# Altium PCB Tag201_GangProgrammerRev2.PcbDoc (part 5 of 7) (continued)
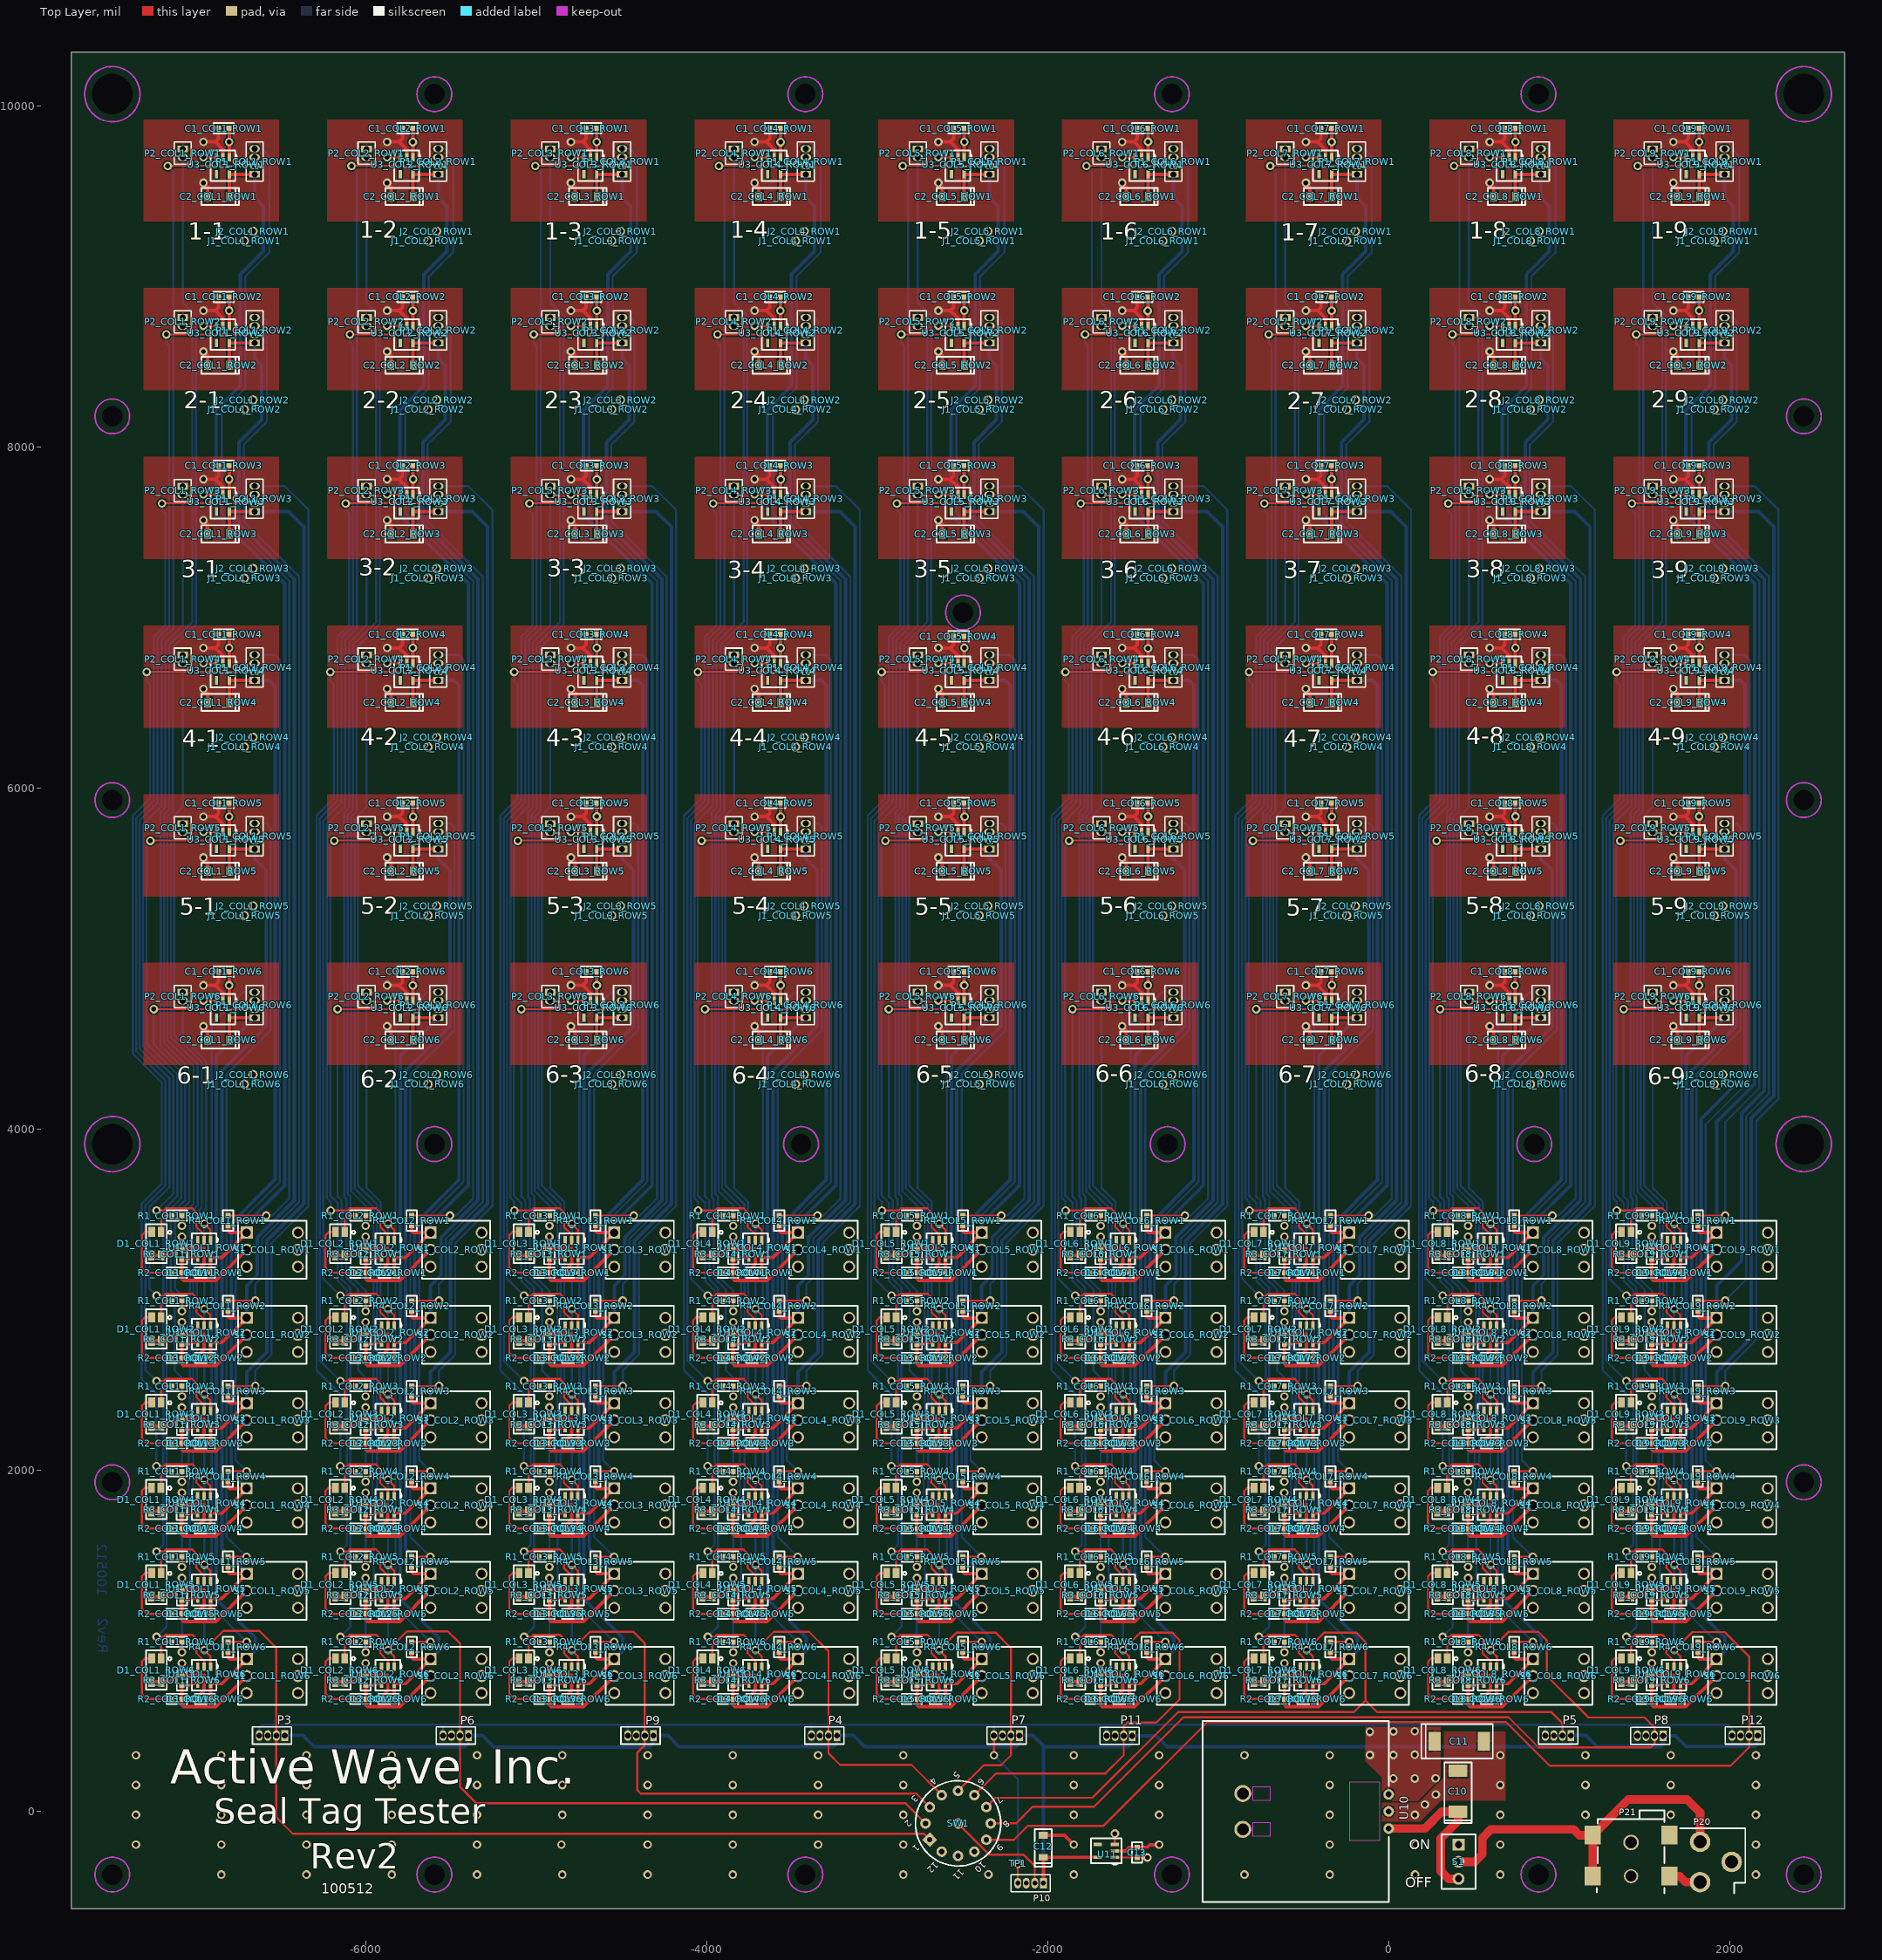
[diagram p0: Top Layer view]
## Nets (pads, with @x,y where several pads share a name; then routed paths per layer and width w, separated by ;. In a path a pad name is that pad's centre, name@x,y a point inside that pad or via, vN(x,y) a via of type N, cw(c..) or ccw(c..) an arc to the next point about the centre after c; other vN are vias at no path point) (continued)
NetD1_COL7_ROW6_1: D1_COL7_ROW6.1 R1_COL7_ROW6.1 | length 145.4
  Top Layer w12: D1_COL7_ROW6.1@-733.94,897.9 -733.94,971.56 -711.5,994 R1_COL7_ROW6.1@-671.5,994
NetD1_COL7_ROW6_2: D1_COL7_ROW6.2 R2_COL7_ROW6.1 | length 1328.1
  Top Layer w12: -846.5,689 -816.5,659 ; -846.5,689 -846.5,879 ; -846.5,689 -816.5,659 ; -846.5,689 -846.5,879 ; -846.5,689 -816.5,659 ; -846.5,689 -846.5,879 ; -846.5,879 -827.6,897.9 ; -846.5,879 -827.6,897.9 ; -846.5,879 -827.6,897.9 ; -827.6,897.9 D1_COL7_ROW6.2@-789.06,897.9 ; -827.6,897.9 D1_COL7_ROW6.2@-789.06,897.9 ; -827.6,897.9 D1_COL7_ROW6.2@-789.06,897.9 ; -816.5,659 R2_COL7_ROW6.1@-671.5,659 ; -816.5,659 R2_COL7_ROW6.1@-671.5,659 ; -816.5,659 R2_COL7_ROW6.1@-671.5,659
NetD1_COL8_ROW1_1: D1_COL8_ROW1.1 R1_COL8_ROW1.1 | length 145.4
  Top Layer w12: D1_COL8_ROW1.1@343.56,3397.9 343.56,3471.56 366,3494 R1_COL8_ROW1.1@406,3494
NetD1_COL8_ROW1_2: D1_COL8_ROW1.2 R2_COL8_ROW1.1 | length 1328.1
  Top Layer w12: 231,3189 261,3159 ; 231,3189 231,3379 ; 231,3189 261,3159 ; 231,3189 231,3379 ; 231,3189 261,3159 ; 231,3189 231,3379 ; 231,3379 249.9,3397.9 ; 231,3379 249.9,3397.9 ; 231,3379 249.9,3397.9 ; 249.9,3397.9 D1_COL8_ROW1.2@288.44,3397.9 ; 249.9,3397.9 D1_COL8_ROW1.2@288.44,3397.9 ; 249.9,3397.9 D1_COL8_ROW1.2@288.44,3397.9 ; 261,3159 R2_COL8_ROW1.1@406,3159 ; 261,3159 R2_COL8_ROW1.1@406,3159 ; 261,3159 R2_COL8_ROW1.1@406,3159
NetD1_COL8_ROW2_1: D1_COL8_ROW2.1 R1_COL8_ROW2.1 | length 145.4
  Top Layer w12: D1_COL8_ROW2.1@343.56,2897.9 343.56,2971.56 366,2994 R1_COL8_ROW2.1@406,2994
NetD1_COL8_ROW2_2: D1_COL8_ROW2.2 R2_COL8_ROW2.1 | length 1328.1
  Top Layer w12: 231,2689 261,2659 ; 231,2689 231,2879 ; 231,2689 261,2659 ; 231,2689 231,2879 ; 231,2689 261,2659 ; 231,2689 231,2879 ; 231,2879 249.9,2897.9 ; 231,2879 249.9,2897.9 ; 231,2879 249.9,2897.9 ; 249.9,2897.9 D1_COL8_ROW2.2@288.44,2897.9 ; 249.9,2897.9 D1_COL8_ROW2.2@288.44,2897.9 ; 249.9,2897.9 D1_COL8_ROW2.2@288.44,2897.9 ; 261,2659 R2_COL8_ROW2.1@406,2659 ; 261,2659 R2_COL8_ROW2.1@406,2659 ; 261,2659 R2_COL8_ROW2.1@406,2659
NetD1_COL8_ROW3_1: D1_COL8_ROW3.1 R1_COL8_ROW3.1 | length 145.4
  Top Layer w12: D1_COL8_ROW3.1@343.56,2397.9 343.56,2471.56 366,2494 R1_COL8_ROW3.1@406,2494
NetD1_COL8_ROW3_2: D1_COL8_ROW3.2 R2_COL8_ROW3.1 | length 1328.1
  Top Layer w12: 231,2189 261,2159 ; 231,2189 231,2379 ; 231,2189 261,2159 ; 231,2189 231,2379 ; 231,2189 261,2159 ; 231,2189 231,2379 ; 231,2379 249.9,2397.9 ; 231,2379 249.9,2397.9 ; 231,2379 249.9,2397.9 ; 249.9,2397.9 D1_COL8_ROW3.2@288.44,2397.9 ; 249.9,2397.9 D1_COL8_ROW3.2@288.44,2397.9 ; 249.9,2397.9 D1_COL8_ROW3.2@288.44,2397.9 ; 261,2159 R2_COL8_ROW3.1@406,2159 ; 261,2159 R2_COL8_ROW3.1@406,2159 ; 261,2159 R2_COL8_ROW3.1@406,2159
NetD1_COL8_ROW4_1: D1_COL8_ROW4.1 R1_COL8_ROW4.1 | length 145.4
  Top Layer w12: D1_COL8_ROW4.1@343.06,1897.9 343.06,1971.56 365.5,1994 R1_COL8_ROW4.1@405.5,1994
NetD1_COL8_ROW4_2: D1_COL8_ROW4.2 R2_COL8_ROW4.1 | length 1328.1
  Top Layer w12: 230.5,1689 260.5,1659 ; 230.5,1689 230.5,1879 ; 230.5,1689 260.5,1659 ; 230.5,1689 230.5,1879 ; 230.5,1689 260.5,1659 ; 230.5,1689 230.5,1879 ; 230.5,1879 249.4,1897.9 ; 230.5,1879 249.4,1897.9 ; 230.5,1879 249.4,1897.9 ; 249.4,1897.9 D1_COL8_ROW4.2@287.94,1897.9 ; 249.4,1897.9 D1_COL8_ROW4.2@287.94,1897.9 ; 249.4,1897.9 D1_COL8_ROW4.2@287.94,1897.9 ; 260.5,1659 R2_COL8_ROW4.1@405.5,1659 ; 260.5,1659 R2_COL8_ROW4.1@405.5,1659 ; 260.5,1659 R2_COL8_ROW4.1@405.5,1659
NetD1_COL8_ROW5_1: D1_COL8_ROW5.1 R1_COL8_ROW5.1 | length 145.4
  Top Layer w12: D1_COL8_ROW5.1@343.56,1397.9 343.56,1471.56 366,1494 R1_COL8_ROW5.1@406,1494
NetD1_COL8_ROW5_2: D1_COL8_ROW5.2 R2_COL8_ROW5.1 | length 1328.1
  Top Layer w12: 231,1189 261,1159 ; 231,1189 231,1379 ; 231,1189 261,1159 ; 231,1189 231,1379 ; 231,1189 261,1159 ; 231,1189 231,1379 ; 231,1379 249.9,1397.9 ; 231,1379 249.9,1397.9 ; 231,1379 249.9,1397.9 ; 249.9,1397.9 D1_COL8_ROW5.2@288.44,1397.9 ; 249.9,1397.9 D1_COL8_ROW5.2@288.44,1397.9 ; 249.9,1397.9 D1_COL8_ROW5.2@288.44,1397.9 ; 261,1159 R2_COL8_ROW5.1@406,1159 ; 261,1159 R2_COL8_ROW5.1@406,1159 ; 261,1159 R2_COL8_ROW5.1@406,1159
NetD1_COL8_ROW6_1: D1_COL8_ROW6.1 R1_COL8_ROW6.1 | length 145.4
  Top Layer w12: D1_COL8_ROW6.1@343.56,897.9 343.56,971.56 366,994 R1_COL8_ROW6.1@406,994
NetD1_COL8_ROW6_2: D1_COL8_ROW6.2 R2_COL8_ROW6.1 | length 1328.1
  Top Layer w12: 231,689 261,659 ; 231,689 231,879 ; 231,689 261,659 ; 231,689 231,879 ; 231,689 261,659 ; 231,689 231,879 ; 231,879 249.9,897.9 ; 231,879 249.9,897.9 ; 231,879 249.9,897.9 ; 249.9,897.9 D1_COL8_ROW6.2@288.44,897.9 ; 249.9,897.9 D1_COL8_ROW6.2@288.44,897.9 ; 249.9,897.9 D1_COL8_ROW6.2@288.44,897.9 ; 261,659 R2_COL8_ROW6.1@406,659 ; 261,659 R2_COL8_ROW6.1@406,659 ; 261,659 R2_COL8_ROW6.1@406,659
NetD1_COL9_ROW1_1: D1_COL9_ROW1.1 R1_COL9_ROW1.1 | length 145.4
  Top Layer w12: D1_COL9_ROW1.1@1421.06,3397.9 1421.06,3471.56 1443.5,3494 R1_COL9_ROW1.1@1483.5,3494
NetD1_COL9_ROW1_2: D1_COL9_ROW1.2 R2_COL9_ROW1.1 | length 1328.1
  Top Layer w12: 1308.5,3189 1338.5,3159 ; 1308.5,3189 1308.5,3379 ; 1308.5,3189 1338.5,3159 ; 1308.5,3189 1308.5,3379 ; 1308.5,3189 1338.5,3159 ; 1308.5,3189 1308.5,3379 ; 1308.5,3379 1327.4,3397.9 ; 1308.5,3379 1327.4,3397.9 ; 1308.5,3379 1327.4,3397.9 ; 1327.4,3397.9 D1_COL9_ROW1.2@1365.94,3397.9 ; 1327.4,3397.9 D1_COL9_ROW1.2@1365.94,3397.9 ; 1327.4,3397.9 D1_COL9_ROW1.2@1365.94,3397.9 ; 1338.5,3159 R2_COL9_ROW1.1@1483.5,3159 ; 1338.5,3159 R2_COL9_ROW1.1@1483.5,3159 ; 1338.5,3159 R2_COL9_ROW1.1@1483.5,3159
NetD1_COL9_ROW2_1: D1_COL9_ROW2.1 R1_COL9_ROW2.1 | length 145.4
  Top Layer w12: D1_COL9_ROW2.1@1421.06,2897.9 1421.06,2971.56 1443.5,2994 R1_COL9_ROW2.1@1483.5,2994
NetD1_COL9_ROW2_2: D1_COL9_ROW2.2 R2_COL9_ROW2.1 | length 1328.1
  Top Layer w12: 1308.5,2689 1338.5,2659 ; 1308.5,2689 1308.5,2879 ; 1308.5,2689 1338.5,2659 ; 1308.5,2689 1308.5,2879 ; 1308.5,2689 1338.5,2659 ; 1308.5,2689 1308.5,2879 ; 1308.5,2879 1327.4,2897.9 ; 1308.5,2879 1327.4,2897.9 ; 1308.5,2879 1327.4,2897.9 ; 1327.4,2897.9 D1_COL9_ROW2.2@1365.94,2897.9 ; 1327.4,2897.9 D1_COL9_ROW2.2@1365.94,2897.9 ; 1327.4,2897.9 D1_COL9_ROW2.2@1365.94,2897.9 ; 1338.5,2659 R2_COL9_ROW2.1@1483.5,2659 ; 1338.5,2659 R2_COL9_ROW2.1@1483.5,2659 ; 1338.5,2659 R2_COL9_ROW2.1@1483.5,2659
NetD1_COL9_ROW3_1: D1_COL9_ROW3.1 R1_COL9_ROW3.1 | length 145.4
  Top Layer w12: D1_COL9_ROW3.1@1421.06,2397.9 1421.06,2471.56 1443.5,2494 R1_COL9_ROW3.1@1483.5,2494
NetD1_COL9_ROW3_2: D1_COL9_ROW3.2 R2_COL9_ROW3.1 | length 1328.1
  Top Layer w12: 1308.5,2189 1338.5,2159 ; 1308.5,2189 1308.5,2379 ; 1308.5,2189 1338.5,2159 ; 1308.5,2189 1308.5,2379 ; 1308.5,2189 1338.5,2159 ; 1308.5,2189 1308.5,2379 ; 1308.5,2379 1327.4,2397.9 ; 1308.5,2379 1327.4,2397.9 ; 1308.5,2379 1327.4,2397.9 ; 1327.4,2397.9 D1_COL9_ROW3.2@1365.94,2397.9 ; 1327.4,2397.9 D1_COL9_ROW3.2@1365.94,2397.9 ; 1327.4,2397.9 D1_COL9_ROW3.2@1365.94,2397.9 ; 1338.5,2159 R2_COL9_ROW3.1@1483.5,2159 ; 1338.5,2159 R2_COL9_ROW3.1@1483.5,2159 ; 1338.5,2159 R2_COL9_ROW3.1@1483.5,2159
NetD1_COL9_ROW4_1: D1_COL9_ROW4.1 R1_COL9_ROW4.1 | length 145.4
  Top Layer w12: D1_COL9_ROW4.1@1420.56,1897.9 1420.56,1971.56 1443,1994 R1_COL9_ROW4.1@1483,1994
NetD1_COL9_ROW4_2: D1_COL9_ROW4.2 R2_COL9_ROW4.1 | length 1328.1
  Top Layer w12: 1308,1689 1338,1659 ; 1308,1689 1308,1879 ; 1308,1689 1338,1659 ; 1308,1689 1308,1879 ; 1308,1689 1338,1659 ; 1308,1689 1308,1879 ; 1308,1879 1326.9,1897.9 ; 1308,1879 1326.9,1897.9 ; 1308,1879 1326.9,1897.9 ; 1326.9,1897.9 D1_COL9_ROW4.2@1365.44,1897.9 ; 1326.9,1897.9 D1_COL9_ROW4.2@1365.44,1897.9 ; 1326.9,1897.9 D1_COL9_ROW4.2@1365.44,1897.9 ; 1338,1659 R2_COL9_ROW4.1@1483,1659 ; 1338,1659 R2_COL9_ROW4.1@1483,1659 ; 1338,1659 R2_COL9_ROW4.1@1483,1659
NetD1_COL9_ROW5_1: D1_COL9_ROW5.1 R1_COL9_ROW5.1 | length 145.4
  Top Layer w12: D1_COL9_ROW5.1@1421.06,1397.9 1421.06,1471.56 1443.5,1494 R1_COL9_ROW5.1@1483.5,1494
NetD1_COL9_ROW5_2: D1_COL9_ROW5.2 R2_COL9_ROW5.1 | length 1328.1
  Top Layer w12: 1308.5,1189 1338.5,1159 ; 1308.5,1189 1308.5,1379 ; 1308.5,1189 1338.5,1159 ; 1308.5,1189 1308.5,1379 ; 1308.5,1189 1338.5,1159 ; 1308.5,1189 1308.5,1379 ; 1308.5,1379 1327.4,1397.9 ; 1308.5,1379 1327.4,1397.9 ; 1308.5,1379 1327.4,1397.9 ; 1327.4,1397.9 D1_COL9_ROW5.2@1365.94,1397.9 ; 1327.4,1397.9 D1_COL9_ROW5.2@1365.94,1397.9 ; 1327.4,1397.9 D1_COL9_ROW5.2@1365.94,1397.9 ; 1338.5,1159 R2_COL9_ROW5.1@1483.5,1159 ; 1338.5,1159 R2_COL9_ROW5.1@1483.5,1159 ; 1338.5,1159 R2_COL9_ROW5.1@1483.5,1159
NetD1_COL9_ROW6_1: D1_COL9_ROW6.1 R1_COL9_ROW6.1 | length 145.4
  Top Layer w12: D1_COL9_ROW6.1@1421.06,897.9 1421.06,971.56 1443.5,994 R1_COL9_ROW6.1@1483.5,994
NetD1_COL9_ROW6_2: D1_COL9_ROW6.2 R2_COL9_ROW6.1 | length 1328.1
  Top Layer w12: 1308.5,689 1338.5,659 ; 1308.5,689 1308.5,879 ; 1308.5,689 1338.5,659 ; 1308.5,689 1308.5,879 ; 1308.5,689 1338.5,659 ; 1308.5,689 1308.5,879 ; 1308.5,879 1327.4,897.9 ; 1308.5,879 1327.4,897.9 ; 1308.5,879 1327.4,897.9 ; 1327.4,897.9 D1_COL9_ROW6.2@1365.94,897.9 ; 1327.4,897.9 D1_COL9_ROW6.2@1365.94,897.9 ; 1327.4,897.9 D1_COL9_ROW6.2@1365.94,897.9 ; 1338.5,659 R2_COL9_ROW6.1@1483.5,659 ; 1338.5,659 R2_COL9_ROW6.1@1483.5,659 ; 1338.5,659 R2_COL9_ROW6.1@1483.5,659
NetR2_COL1_ROW1_2: R2_COL1_ROW1.2 R3_COL1_ROW1.2 S1_COL1_ROW1.2 U1_COL1_ROW1.4 | length 670.3
  Top Layer w20: U1_COL1_ROW1.4@-6984,3249 -7021.5,3249 -7031.5,3239 R3_COL1_ROW1.2@-7076.5,3239 R2_COL1_ROW1.2@-7076.5,3159 -7076.5,3124 -7066.5,3114 -6876.5,3114 S1_COL1_ROW1.2@-6696.5,3294
NetR2_COL1_ROW2_2: R2_COL1_ROW2.2 R3_COL1_ROW2.2 S1_COL1_ROW2.2 U1_COL1_ROW2.4 | length 670.3
  Top Layer w20: U1_COL1_ROW2.4@-6984,2749 -7021.5,2749 -7031.5,2739 R3_COL1_ROW2.2@-7076.5,2739 R2_COL1_ROW2.2@-7076.5,2659 -7076.5,2624 -7066.5,2614 -6876.5,2614 S1_COL1_ROW2.2@-6696.5,2794
NetR2_COL1_ROW3_2: R2_COL1_ROW3.2 R3_COL1_ROW3.2 S1_COL1_ROW3.2 U1_COL1_ROW3.4 | length 670.3
  Top Layer w20: U1_COL1_ROW3.4@-6984,2249 -7021.5,2249 -7031.5,2239 R3_COL1_ROW3.2@-7076.5,2239 R2_COL1_ROW3.2@-7076.5,2159 -7076.5,2124 -7066.5,2114 -6876.5,2114 S1_COL1_ROW3.2@-6696.5,2294
NetR2_COL1_ROW4_2: R2_COL1_ROW4.2 R3_COL1_ROW4.2 S1_COL1_ROW4.2 U1_COL1_ROW4.4 | length 670.3
  Top Layer w20: U1_COL1_ROW4.4@-6984.5,1749 -7022,1749 -7032,1739 R3_COL1_ROW4.2@-7077,1739 R2_COL1_ROW4.2@-7077,1659 -7077,1624 -7067,1614 -6877,1614 S1_COL1_ROW4.2@-6697,1794
NetR2_COL1_ROW5_2: R2_COL1_ROW5.2 R3_COL1_ROW5.2 S1_COL1_ROW5.2 U1_COL1_ROW5.4 | length 670.3
  Top Layer w20: U1_COL1_ROW5.4@-6984,1249 -7021.5,1249 -7031.5,1239 R3_COL1_ROW5.2@-7076.5,1239 R2_COL1_ROW5.2@-7076.5,1159 -7076.5,1124 -7066.5,1114 -6876.5,1114 S1_COL1_ROW5.2@-6696.5,1294
NetR2_COL1_ROW6_2: R2_COL1_ROW6.2 R3_COL1_ROW6.2 S1_COL1_ROW6.2 U1_COL1_ROW6.4 | length 670.3
  Top Layer w20: U1_COL1_ROW6.4@-6984,749 -7021.5,749 -7031.5,739 R3_COL1_ROW6.2@-7076.5,739 R2_COL1_ROW6.2@-7076.5,659 -7076.5,624 -7066.5,614 -6876.5,614 S1_COL1_ROW6.2@-6696.5,794
NetR2_COL2_ROW1_2: R2_COL2_ROW1.2 R3_COL2_ROW1.2 S1_COL2_ROW1.2 U1_COL2_ROW1.4 | length 670.3
  Top Layer w20: U1_COL2_ROW1.4@-5906.5,3249 -5944,3249 -5954,3239 R3_COL2_ROW1.2@-5999,3239 R2_COL2_ROW1.2@-5999,3159 -5999,3124 -5989,3114 -5799,3114 S1_COL2_ROW1.2@-5619,3294
NetR2_COL2_ROW2_2: R2_COL2_ROW2.2 R3_COL2_ROW2.2 S1_COL2_ROW2.2 U1_COL2_ROW2.4 | length 670.3
  Top Layer w20: U1_COL2_ROW2.4@-5906.5,2749 -5944,2749 -5954,2739 R3_COL2_ROW2.2@-5999,2739 R2_COL2_ROW2.2@-5999,2659 -5999,2624 -5989,2614 -5799,2614 S1_COL2_ROW2.2@-5619,2794
NetR2_COL2_ROW3_2: R2_COL2_ROW3.2 R3_COL2_ROW3.2 S1_COL2_ROW3.2 U1_COL2_ROW3.4 | length 670.3
  Top Layer w20: U1_COL2_ROW3.4@-5906.5,2249 -5944,2249 -5954,2239 R3_COL2_ROW3.2@-5999,2239 R2_COL2_ROW3.2@-5999,2159 -5999,2124 -5989,2114 -5799,2114 S1_COL2_ROW3.2@-5619,2294
NetR2_COL2_ROW4_2: R2_COL2_ROW4.2 R3_COL2_ROW4.2 S1_COL2_ROW4.2 U1_COL2_ROW4.4 | length 670.3
  Top Layer w20: U1_COL2_ROW4.4@-5907,1749 -5944.5,1749 -5954.5,1739 R3_COL2_ROW4.2@-5999.5,1739 R2_COL2_ROW4.2@-5999.5,1659 -5999.5,1624 -5989.5,1614 -5799.5,1614 S1_COL2_ROW4.2@-5619.5,1794
NetR2_COL2_ROW5_2: R2_COL2_ROW5.2 R3_COL2_ROW5.2 S1_COL2_ROW5.2 U1_COL2_ROW5.4 | length 670.3
  Top Layer w20: U1_COL2_ROW5.4@-5906.5,1249 -5944,1249 -5954,1239 R3_COL2_ROW5.2@-5999,1239 R2_COL2_ROW5.2@-5999,1159 -5999,1124 -5989,1114 -5799,1114 S1_COL2_ROW5.2@-5619,1294
NetR2_COL2_ROW6_2: R2_COL2_ROW6.2 R3_COL2_ROW6.2 S1_COL2_ROW6.2 U1_COL2_ROW6.4 | length 670.3
  Top Layer w20: U1_COL2_ROW6.4@-5906.5,749 -5944,749 -5954,739 R3_COL2_ROW6.2@-5999,739 R2_COL2_ROW6.2@-5999,659 -5999,624 -5989,614 -5799,614 S1_COL2_ROW6.2@-5619,794
NetR2_COL3_ROW1_2: R2_COL3_ROW1.2 R3_COL3_ROW1.2 S1_COL3_ROW1.2 U1_COL3_ROW1.4 | length 670.3
  Top Layer w20: U1_COL3_ROW1.4@-4829,3249 -4866.5,3249 -4876.5,3239 R3_COL3_ROW1.2@-4921.5,3239 R2_COL3_ROW1.2@-4921.5,3159 -4921.5,3124 -4911.5,3114 -4721.5,3114 S1_COL3_ROW1.2@-4541.5,3294
NetR2_COL3_ROW2_2: R2_COL3_ROW2.2 R3_COL3_ROW2.2 S1_COL3_ROW2.2 U1_COL3_ROW2.4 | length 670.3
  Top Layer w20: U1_COL3_ROW2.4@-4829,2749 -4866.5,2749 -4876.5,2739 R3_COL3_ROW2.2@-4921.5,2739 R2_COL3_ROW2.2@-4921.5,2659 -4921.5,2624 -4911.5,2614 -4721.5,2614 S1_COL3_ROW2.2@-4541.5,2794
NetR2_COL3_ROW3_2: R2_COL3_ROW3.2 R3_COL3_ROW3.2 S1_COL3_ROW3.2 U1_COL3_ROW3.4 | length 670.3
  Top Layer w20: U1_COL3_ROW3.4@-4829,2249 -4866.5,2249 -4876.5,2239 R3_COL3_ROW3.2@-4921.5,2239 R2_COL3_ROW3.2@-4921.5,2159 -4921.5,2124 -4911.5,2114 -4721.5,2114 S1_COL3_ROW3.2@-4541.5,2294
NetR2_COL3_ROW4_2: R2_COL3_ROW4.2 R3_COL3_ROW4.2 S1_COL3_ROW4.2 U1_COL3_ROW4.4 | length 670.3
  Top Layer w20: U1_COL3_ROW4.4@-4829.5,1749 -4867,1749 -4877,1739 R3_COL3_ROW4.2@-4922,1739 R2_COL3_ROW4.2@-4922,1659 -4922,1624 -4912,1614 -4722,1614 S1_COL3_ROW4.2@-4542,1794
NetR2_COL3_ROW5_2: R2_COL3_ROW5.2 R3_COL3_ROW5.2 S1_COL3_ROW5.2 U1_COL3_ROW5.4 | length 670.3
  Top Layer w20: U1_COL3_ROW5.4@-4829,1249 -4866.5,1249 -4876.5,1239 R3_COL3_ROW5.2@-4921.5,1239 R2_COL3_ROW5.2@-4921.5,1159 -4921.5,1124 -4911.5,1114 -4721.5,1114 S1_COL3_ROW5.2@-4541.5,1294
NetR2_COL3_ROW6_2: R2_COL3_ROW6.2 R3_COL3_ROW6.2 S1_COL3_ROW6.2 U1_COL3_ROW6.4 | length 670.3
  Top Layer w20: U1_COL3_ROW6.4@-4829,749 -4866.5,749 -4876.5,739 R3_COL3_ROW6.2@-4921.5,739 R2_COL3_ROW6.2@-4921.5,659 -4921.5,624 -4911.5,614 -4721.5,614 S1_COL3_ROW6.2@-4541.5,794
NetR2_COL4_ROW1_2: R2_COL4_ROW1.2 R3_COL4_ROW1.2 S1_COL4_ROW1.2 U1_COL4_ROW1.4 | length 670.3
  Top Layer w20: U1_COL4_ROW1.4@-3751.5,3249 -3789,3249 -3799,3239 R3_COL4_ROW1.2@-3844,3239 R2_COL4_ROW1.2@-3844,3159 -3844,3124 -3834,3114 -3644,3114 S1_COL4_ROW1.2@-3464,3294
NetR2_COL4_ROW2_2: R2_COL4_ROW2.2 R3_COL4_ROW2.2 S1_COL4_ROW2.2 U1_COL4_ROW2.4 | length 670.3
  Top Layer w20: U1_COL4_ROW2.4@-3751.5,2749 -3789,2749 -3799,2739 R3_COL4_ROW2.2@-3844,2739 R2_COL4_ROW2.2@-3844,2659 -3844,2624 -3834,2614 -3644,2614 S1_COL4_ROW2.2@-3464,2794
NetR2_COL4_ROW3_2: R2_COL4_ROW3.2 R3_COL4_ROW3.2 S1_COL4_ROW3.2 U1_COL4_ROW3.4 | length 670.3
  Top Layer w20: U1_COL4_ROW3.4@-3751.5,2249 -3789,2249 -3799,2239 R3_COL4_ROW3.2@-3844,2239 R2_COL4_ROW3.2@-3844,2159 -3844,2124 -3834,2114 -3644,2114 S1_COL4_ROW3.2@-3464,2294
NetR2_COL4_ROW4_2: R2_COL4_ROW4.2 R3_COL4_ROW4.2 S1_COL4_ROW4.2 U1_COL4_ROW4.4 | length 670.3
  Top Layer w20: U1_COL4_ROW4.4@-3752,1749 -3789.5,1749 -3799.5,1739 R3_COL4_ROW4.2@-3844.5,1739 R2_COL4_ROW4.2@-3844.5,1659 -3844.5,1624 -3834.5,1614 -3644.5,1614 S1_COL4_ROW4.2@-3464.5,1794
NetR2_COL4_ROW5_2: R2_COL4_ROW5.2 R3_COL4_ROW5.2 S1_COL4_ROW5.2 U1_COL4_ROW5.4 | length 670.3
  Top Layer w20: U1_COL4_ROW5.4@-3751.5,1249 -3789,1249 -3799,1239 R3_COL4_ROW5.2@-3844,1239 R2_COL4_ROW5.2@-3844,1159 -3844,1124 -3834,1114 -3644,1114 S1_COL4_ROW5.2@-3464,1294
NetR2_COL4_ROW6_2: R2_COL4_ROW6.2 R3_COL4_ROW6.2 S1_COL4_ROW6.2 U1_COL4_ROW6.4 | length 670.3
  Top Layer w20: U1_COL4_ROW6.4@-3751.5,749 -3789,749 -3799,739 R3_COL4_ROW6.2@-3844,739 R2_COL4_ROW6.2@-3844,659 -3844,624 -3834,614 -3644,614 S1_COL4_ROW6.2@-3464,794
NetR2_COL5_ROW1_2: R2_COL5_ROW1.2 R3_COL5_ROW1.2 S1_COL5_ROW1.2 U1_COL5_ROW1.4 | length 670.3
  Top Layer w20: U1_COL5_ROW1.4@-2674,3249 -2711.5,3249 -2721.5,3239 R3_COL5_ROW1.2@-2766.5,3239 R2_COL5_ROW1.2@-2766.5,3159 -2766.5,3124 -2756.5,3114 -2566.5,3114 S1_COL5_ROW1.2@-2386.5,3294
NetR2_COL5_ROW2_2: R2_COL5_ROW2.2 R3_COL5_ROW2.2 S1_COL5_ROW2.2 U1_COL5_ROW2.4 | length 670.3
  Top Layer w20: U1_COL5_ROW2.4@-2674,2749 -2711.5,2749 -2721.5,2739 R3_COL5_ROW2.2@-2766.5,2739 R2_COL5_ROW2.2@-2766.5,2659 -2766.5,2624 -2756.5,2614 -2566.5,2614 S1_COL5_ROW2.2@-2386.5,2794
NetR2_COL5_ROW3_2: R2_COL5_ROW3.2 R3_COL5_ROW3.2 S1_COL5_ROW3.2 U1_COL5_ROW3.4 | length 670.3
  Top Layer w20: U1_COL5_ROW3.4@-2674,2249 -2711.5,2249 -2721.5,2239 R3_COL5_ROW3.2@-2766.5,2239 R2_COL5_ROW3.2@-2766.5,2159 -2766.5,2124 -2756.5,2114 -2566.5,2114 S1_COL5_ROW3.2@-2386.5,2294
NetR2_COL5_ROW4_2: R2_COL5_ROW4.2 R3_COL5_ROW4.2 S1_COL5_ROW4.2 U1_COL5_ROW4.4 | length 670.3
  Top Layer w20: U1_COL5_ROW4.4@-2674.5,1749 -2712,1749 -2722,1739 R3_COL5_ROW4.2@-2767,1739 R2_COL5_ROW4.2@-2767,1659 -2767,1624 -2757,1614 -2567,1614 S1_COL5_ROW4.2@-2387,1794
NetR2_COL5_ROW5_2: R2_COL5_ROW5.2 R3_COL5_ROW5.2 S1_COL5_ROW5.2 U1_COL5_ROW5.4 | length 670.3
  Top Layer w20: U1_COL5_ROW5.4@-2674,1249 -2711.5,1249 -2721.5,1239 R3_COL5_ROW5.2@-2766.5,1239 R2_COL5_ROW5.2@-2766.5,1159 -2766.5,1124 -2756.5,1114 -2566.5,1114 S1_COL5_ROW5.2@-2386.5,1294
NetR2_COL5_ROW6_2: R2_COL5_ROW6.2 R3_COL5_ROW6.2 S1_COL5_ROW6.2 U1_COL5_ROW6.4 | length 670.3
  Top Layer w20: U1_COL5_ROW6.4@-2674,749 -2711.5,749 -2721.5,739 R3_COL5_ROW6.2@-2766.5,739 R2_COL5_ROW6.2@-2766.5,659 -2766.5,624 -2756.5,614 -2566.5,614 S1_COL5_ROW6.2@-2386.5,794
NetR2_COL6_ROW1_2: R2_COL6_ROW1.2 R3_COL6_ROW1.2 S1_COL6_ROW1.2 U1_COL6_ROW1.4 | length 670.3
  Top Layer w20: U1_COL6_ROW1.4@-1596.5,3249 -1634,3249 -1644,3239 R3_COL6_ROW1.2@-1689,3239 R2_COL6_ROW1.2@-1689,3159 -1689,3124 -1679,3114 -1489,3114 S1_COL6_ROW1.2@-1309,3294
NetR2_COL6_ROW2_2: R2_COL6_ROW2.2 R3_COL6_ROW2.2 S1_COL6_ROW2.2 U1_COL6_ROW2.4 | length 670.3
  Top Layer w20: U1_COL6_ROW2.4@-1596.5,2749 -1634,2749 -1644,2739 R3_COL6_ROW2.2@-1689,2739 R2_COL6_ROW2.2@-1689,2659 -1689,2624 -1679,2614 -1489,2614 S1_COL6_ROW2.2@-1309,2794
NetR2_COL6_ROW3_2: R2_COL6_ROW3.2 R3_COL6_ROW3.2 S1_COL6_ROW3.2 U1_COL6_ROW3.4 | length 670.3
  Top Layer w20: U1_COL6_ROW3.4@-1596.5,2249 -1634,2249 -1644,2239 R3_COL6_ROW3.2@-1689,2239 R2_COL6_ROW3.2@-1689,2159 -1689,2124 -1679,2114 -1489,2114 S1_COL6_ROW3.2@-1309,2294
NetR2_COL6_ROW4_2: R2_COL6_ROW4.2 R3_COL6_ROW4.2 S1_COL6_ROW4.2 U1_COL6_ROW4.4 | length 670.3
  Top Layer w20: U1_COL6_ROW4.4@-1597,1749 -1634.5,1749 -1644.5,1739 R3_COL6_ROW4.2@-1689.5,1739 R2_COL6_ROW4.2@-1689.5,1659 -1689.5,1624 -1679.5,1614 -1489.5,1614 S1_COL6_ROW4.2@-1309.5,1794
NetR2_COL6_ROW5_2: R2_COL6_ROW5.2 R3_COL6_ROW5.2 S1_COL6_ROW5.2 U1_COL6_ROW5.4 | length 670.3
  Top Layer w20: U1_COL6_ROW5.4@-1596.5,1249 -1634,1249 -1644,1239 R3_COL6_ROW5.2@-1689,1239 R2_COL6_ROW5.2@-1689,1159 -1689,1124 -1679,1114 -1489,1114 S1_COL6_ROW5.2@-1309,1294
NetR2_COL6_ROW6_2: R2_COL6_ROW6.2 R3_COL6_ROW6.2 S1_COL6_ROW6.2 U1_COL6_ROW6.4 | length 670.3
  Top Layer w20: U1_COL6_ROW6.4@-1596.5,749 -1634,749 -1644,739 R3_COL6_ROW6.2@-1689,739 R2_COL6_ROW6.2@-1689,659 -1689,624 -1679,614 -1489,614 S1_COL6_ROW6.2@-1309,794
NetR2_COL7_ROW1_2: R2_COL7_ROW1.2 R3_COL7_ROW1.2 S1_COL7_ROW1.2 U1_COL7_ROW1.4 | length 670.3
  Top Layer w20: U1_COL7_ROW1.4@-519,3249 -556.5,3249 -566.5,3239 R3_COL7_ROW1.2@-611.5,3239 R2_COL7_ROW1.2@-611.5,3159 -611.5,3124 -601.5,3114 -411.5,3114 S1_COL7_ROW1.2@-231.5,3294
NetR2_COL7_ROW2_2: R2_COL7_ROW2.2 R3_COL7_ROW2.2 S1_COL7_ROW2.2 U1_COL7_ROW2.4 | length 670.3
  Top Layer w20: U1_COL7_ROW2.4@-519,2749 -556.5,2749 -566.5,2739 R3_COL7_ROW2.2@-611.5,2739 R2_COL7_ROW2.2@-611.5,2659 -611.5,2624 -601.5,2614 -411.5,2614 S1_COL7_ROW2.2@-231.5,2794
NetR2_COL7_ROW3_2: R2_COL7_ROW3.2 R3_COL7_ROW3.2 S1_COL7_ROW3.2 U1_COL7_ROW3.4 | length 670.3
  Top Layer w20: U1_COL7_ROW3.4@-519,2249 -556.5,2249 -566.5,2239 R3_COL7_ROW3.2@-611.5,2239 R2_COL7_ROW3.2@-611.5,2159 -611.5,2124 -601.5,2114 -411.5,2114 S1_COL7_ROW3.2@-231.5,2294
NetR2_COL7_ROW4_2: R2_COL7_ROW4.2 R3_COL7_ROW4.2 S1_COL7_ROW4.2 U1_COL7_ROW4.4 | length 670.3
  Top Layer w20: U1_COL7_ROW4.4@-519.5,1749 -557,1749 -567,1739 R3_COL7_ROW4.2@-612,1739 R2_COL7_ROW4.2@-612,1659 -612,1624 -602,1614 -412,1614 S1_COL7_ROW4.2@-232,1794
NetR2_COL7_ROW5_2: R2_COL7_ROW5.2 R3_COL7_ROW5.2 S1_COL7_ROW5.2 U1_COL7_ROW5.4 | length 670.3
  Top Layer w20: U1_COL7_ROW5.4@-519,1249 -556.5,1249 -566.5,1239 R3_COL7_ROW5.2@-611.5,1239 R2_COL7_ROW5.2@-611.5,1159 -611.5,1124 -601.5,1114 -411.5,1114 S1_COL7_ROW5.2@-231.5,1294
NetR2_COL7_ROW6_2: R2_COL7_ROW6.2 R3_COL7_ROW6.2 S1_COL7_ROW6.2 U1_COL7_ROW6.4 | length 670.3
  Top Layer w20: U1_COL7_ROW6.4@-519,749 -556.5,749 -566.5,739 R3_COL7_ROW6.2@-611.5,739 R2_COL7_ROW6.2@-611.5,659 -611.5,624 -601.5,614 -411.5,614 S1_COL7_ROW6.2@-231.5,794
NetR2_COL8_ROW1_2: R2_COL8_ROW1.2 R3_COL8_ROW1.2 S1_COL8_ROW1.2 U1_COL8_ROW1.4 | length 670.3
  Top Layer w20: U1_COL8_ROW1.4@558.5,3249 521,3249 511,3239 R3_COL8_ROW1.2@466,3239 R2_COL8_ROW1.2@466,3159 466,3124 476,3114 666,3114 S1_COL8_ROW1.2@846,3294
NetR2_COL8_ROW2_2: R2_COL8_ROW2.2 R3_COL8_ROW2.2 S1_COL8_ROW2.2 U1_COL8_ROW2.4 | length 670.3
  Top Layer w20: U1_COL8_ROW2.4@558.5,2749 521,2749 511,2739 R3_COL8_ROW2.2@466,2739 R2_COL8_ROW2.2@466,2659 466,2624 476,2614 666,2614 S1_COL8_ROW2.2@846,2794
NetR2_COL8_ROW3_2: R2_COL8_ROW3.2 R3_COL8_ROW3.2 S1_COL8_ROW3.2 U1_COL8_ROW3.4 | length 670.3
  Top Layer w20: U1_COL8_ROW3.4@558.5,2249 521,2249 511,2239 R3_COL8_ROW3.2@466,2239 R2_COL8_ROW3.2@466,2159 466,2124 476,2114 666,2114 S1_COL8_ROW3.2@846,2294
NetR2_COL8_ROW4_2: R2_COL8_ROW4.2 R3_COL8_ROW4.2 S1_COL8_ROW4.2 U1_COL8_ROW4.4 | length 670.3
  Top Layer w20: U1_COL8_ROW4.4@558,1749 520.5,1749 510.5,1739 R3_COL8_ROW4.2@465.5,1739 R2_COL8_ROW4.2@465.5,1659 465.5,1624 475.5,1614 665.5,1614 S1_COL8_ROW4.2@845.5,1794
NetR2_COL8_ROW5_2: R2_COL8_ROW5.2 R3_COL8_ROW5.2 S1_COL8_ROW5.2 U1_COL8_ROW5.4 | length 670.3
  Top Layer w20: U1_COL8_ROW5.4@558.5,1249 521,1249 511,1239 R3_COL8_ROW5.2@466,1239 R2_COL8_ROW5.2@466,1159 466,1124 476,1114 666,1114 S1_COL8_ROW5.2@846,1294
NetR2_COL8_ROW6_2: R2_COL8_ROW6.2 R3_COL8_ROW6.2 S1_COL8_ROW6.2 U1_COL8_ROW6.4 | length 670.3
  Top Layer w20: U1_COL8_ROW6.4@558.5,749 521,749 511,739 R3_COL8_ROW6.2@466,739 R2_COL8_ROW6.2@466,659 466,624 476,614 666,614 S1_COL8_ROW6.2@846,794
NetR2_COL9_ROW1_2: R2_COL9_ROW1.2 R3_COL9_ROW1.2 S1_COL9_ROW1.2 U1_COL9_ROW1.4 | length 670.3
  Top Layer w20: U1_COL9_ROW1.4@1636,3249 1598.5,3249 1588.5,3239 R3_COL9_ROW1.2@1543.5,3239 R2_COL9_ROW1.2@1543.5,3159 1543.5,3124 1553.5,3114 1743.5,3114 S1_COL9_ROW1.2@1923.5,3294
NetR2_COL9_ROW2_2: R2_COL9_ROW2.2 R3_COL9_ROW2.2 S1_COL9_ROW2.2 U1_COL9_ROW2.4 | length 670.3
  Top Layer w20: U1_COL9_ROW2.4@1636,2749 1598.5,2749 1588.5,2739 R3_COL9_ROW2.2@1543.5,2739 R2_COL9_ROW2.2@1543.5,2659 1543.5,2624 1553.5,2614 1743.5,2614 S1_COL9_ROW2.2@1923.5,2794
NetR2_COL9_ROW3_2: R2_COL9_ROW3.2 R3_COL9_ROW3.2 S1_COL9_ROW3.2 U1_COL9_ROW3.4 | length 670.3
  Top Layer w20: U1_COL9_ROW3.4@1636,2249 1598.5,2249 1588.5,2239 R3_COL9_ROW3.2@1543.5,2239 R2_COL9_ROW3.2@1543.5,2159 1543.5,2124 1553.5,2114 1743.5,2114 S1_COL9_ROW3.2@1923.5,2294
NetR2_COL9_ROW4_2: R2_COL9_ROW4.2 R3_COL9_ROW4.2 S1_COL9_ROW4.2 U1_COL9_ROW4.4 | length 670.3
  Top Layer w20: U1_COL9_ROW4.4@1635.5,1749 1598,1749 1588,1739 R3_COL9_ROW4.2@1543,1739 R2_COL9_ROW4.2@1543,1659 1543,1624 1553,1614 1743,1614 S1_COL9_ROW4.2@1923,1794
NetR2_COL9_ROW5_2: R2_COL9_ROW5.2 R3_COL9_ROW5.2 S1_COL9_ROW5.2 U1_COL9_ROW5.4 | length 670.3
  Top Layer w20: U1_COL9_ROW5.4@1636,1249 1598.5,1249 1588.5,1239 R3_COL9_ROW5.2@1543.5,1239 R2_COL9_ROW5.2@1543.5,1159 1543.5,1124 1553.5,1114 1743.5,1114 S1_COL9_ROW5.2@1923.5,1294
NetR2_COL9_ROW6_2: R2_COL9_ROW6.2 R3_COL9_ROW6.2 S1_COL9_ROW6.2 U1_COL9_ROW6.4 | length 670.3
  Top Layer w20: U1_COL9_ROW6.4@1636,749 1598.5,749 1588.5,739 R3_COL9_ROW6.2@1543.5,739 R2_COL9_ROW6.2@1543.5,659 1543.5,624 1553.5,614 1743.5,614 S1_COL9_ROW6.2@1923.5,794
RESET_COL1_ROW1: P1_COL1_ROW1.4 R4_COL1_ROW1.1 | length 6898.4
  Top Layer w12: R4_COL1_ROW1.1@-6806.5,3494 v1(-6582,3494)
  Bottom Layer w12: P1_COL1_ROW1.4@-6650.5,9749 -6606.5,9749 -6563.5,9706 -6563.5,9142 -6705.5,9000 -6705.5,8346 -6843.5,8208 -6843.5,7612 -6446.5,7215 -6446.5,3594.5 -6547,3494 v1(-6582,3494)
RESET_COL1_ROW2: P1_COL1_ROW2.4 R4_COL1_ROW2.1 | length 6280.1
  Top Layer w12: R4_COL1_ROW2.1@-6806.5,2994 v1@-6646.5,2994
  Bottom Layer w12: P1_COL1_ROW2.4@-6650.5,8760 -6601.5,8760 -6578.5,8737 -6578.5,8149 -6713.5,8014 -6713.5,7564 -6389.5,7240 -6389.5,3574 -6606.5,3357 -6606.5,3131 -6646.5,3091 v1(-6646.5,2995)
RESET_COL1_ROW3: P1_COL1_ROW3.4 R4_COL1_ROW3.1 | length 5800.6
  Top Layer w12: R4_COL1_ROW3.1@-6806.5,2494 v1@-6646.5,2494
  Bottom Layer w12: P1_COL1_ROW3.4@-6650.5,7771 -6473.5,7771 -6333.5,7631 -6333.5,3550 -6551.5,3332 -6551.5,2679 -6646.5,2584 v1(-6646.5,2495)
RESET_COL1_ROW4: P1_COL1_ROW4.4 R4_COL1_ROW4.1 | length 5163.1
  Top Layer w12: R4_COL1_ROW4.1@-6807,1994 v1(-6696.5,1994)
  Bottom Layer w12: v1(-6696.5,1994) -6761.5,2059 -6761.5,3432 -6502.5,3691 -6502.5,6752 -6532.5,6782 P1_COL1_ROW4.4@-6650.5,6782
RESET_COL1_ROW5: P1_COL1_ROW5.4 R4_COL1_ROW5.1 | length 4643.9
  Top Layer w12: R4_COL1_ROW5.1@-6805.5,1493 v1(-6697.5,1493)
  Bottom Layer w12: v1(-6697.5,1493) -6814.5,1610 -6814.5,4323 -6556.5,4581 -6556.5,5770 -6579.5,5793 P1_COL1_ROW5.4@-6650.5,5793
RESET_COL1_ROW6: P1_COL1_ROW6.4 R4_COL1_ROW6.1 | length 4147
  Top Layer w12: R4_COL1_ROW6.1@-6806.5,994 v1(-6696.5,994)
  Bottom Layer w12: v1(-6696.5,994) -6901.5,1199 -6901.5,4618 -6715.5,4804 P1_COL1_ROW6.4@-6650.5,4804
RESET_COL2_ROW1: P1_COL2_ROW1.4 R4_COL2_ROW1.1 | length 6898.4
  Top Layer w12: R4_COL2_ROW1.1@-5729,3494 v1(-5504.5,3494)
  Bottom Layer w12: P1_COL2_ROW1.4@-5573,9749 -5529,9749 -5486,9706 -5486,9142 -5628,9000 -5628,8346 -5766,8208 -5766,7612 -5369,7215 -5369,3594.5 -5469.5,3494 v1(-5504.5,3494)
RESET_COL2_ROW2: P1_COL2_ROW2.4 R4_COL2_ROW2.1 | length 6280.1
  Top Layer w12: R4_COL2_ROW2.1@-5729,2994 v1@-5569,2994
  Bottom Layer w12: P1_COL2_ROW2.4@-5573,8760 -5524,8760 -5501,8737 -5501,8149 -5636,8014 -5636,7564 -5312,7240 -5312,3574 -5529,3357 -5529,3131 -5569,3091 v1(-5569,2995)
RESET_COL2_ROW3: P1_COL2_ROW3.4 R4_COL2_ROW3.1 | length 5800.6
  Top Layer w12: R4_COL2_ROW3.1@-5729,2494 v1@-5569,2494
  Bottom Layer w12: P1_COL2_ROW3.4@-5573,7771 -5396,7771 -5256,7631 -5256,3550 -5474,3332 -5474,2679 -5569,2584 v1(-5569,2495)